# Altium PCB 80-BabyCarBatControl_PCB.PcbDoc
Units mm, origin at the board's own origin, x right, y up, seen from the top; angles counter-clockwise.
Board outline 70 x 26.53 mm, 2 copper layers (Top Layer, Bottom Layer); 118 components, 66 nets, 314 pads, 178 vias.
Unrouted connection lines stored in the file: 78.
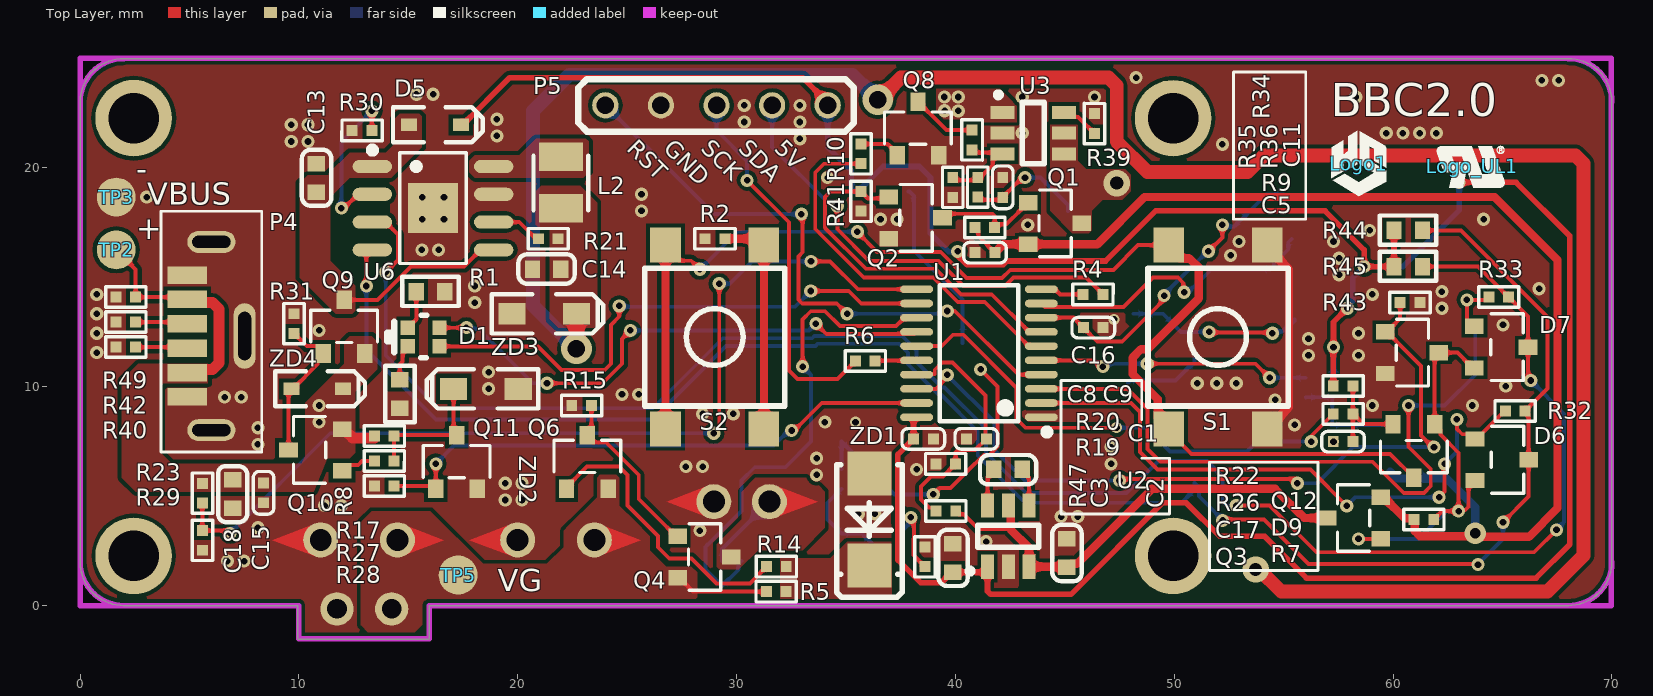
[diagram p0: Top Layer view]
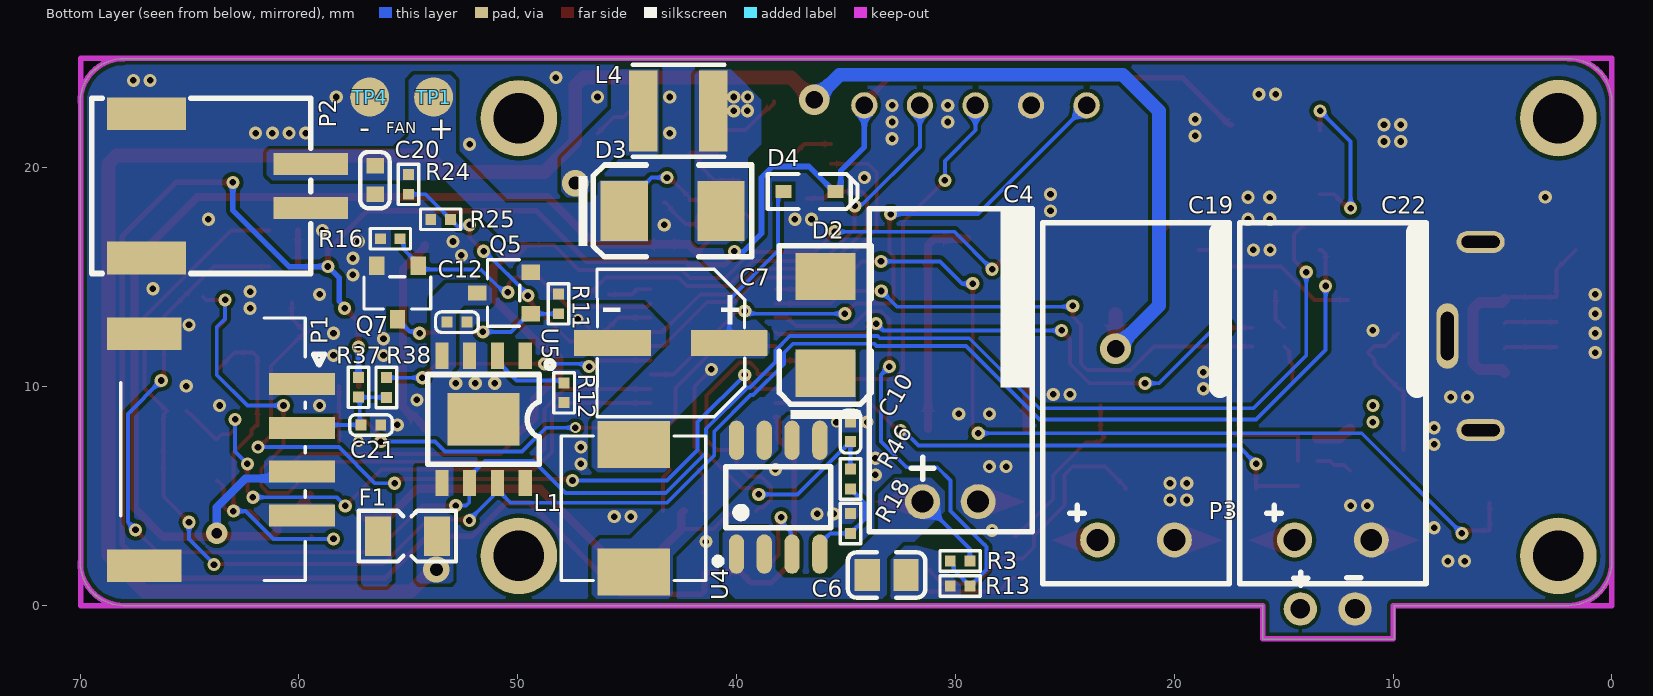
[diagram p1: Bottom Layer view, seen from below]
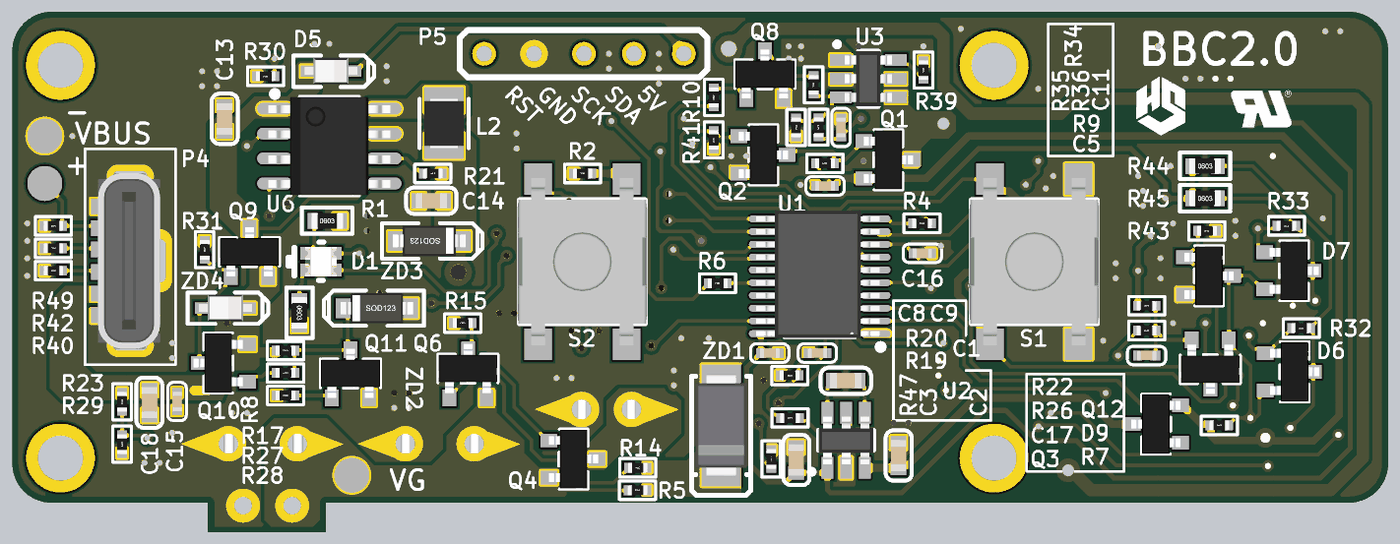
[diagram p2: 3D render of the assembled board from above, using the file's embedded part models]
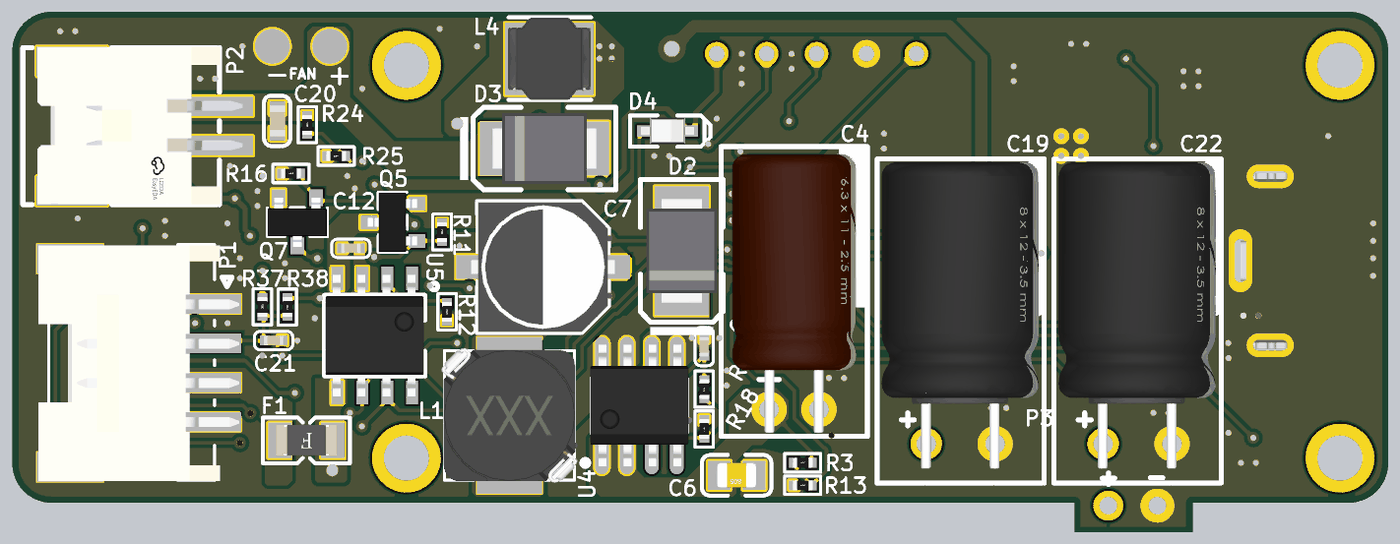
[diagram p3: 3D render of the assembled board from below, using the file's embedded part models]

## Layer stack, top to bottom
Top Solder: solder mask 0.0102, Solder Resist, Dk 3.5
Top Layer: signal copper 0.0356
Dielectric 1: dielectric 0.32, FR-4, Dk 4.8
Bottom Layer: signal copper 0.0356
Bottom Solder: solder mask 0.0102, Solder Resist, Dk 3.5

## Board outline
2,0 cw(c2,2) 0,2 0,23 cw(c2,23) 2,25 68,25 cw(c68,23) 70,23 70,2 cw(c68,2) 68,0 15.949,0 15.949,-1.529 9.949,-1.529 9.949,0

## Design rules (kind name [scope] priority, off if disabled: settings)
Clearance [All] p1: gap=0.178 ignorepadtopadclearanceinfootprint=TRUE
PlaneConnect [All] p1: planeconnectstyle=Direct reliefexpansion=0.508 reliefentries=4 reliefconductorwidth=0.254 reliefairgap=0.254
PolygonConnect [All] p1: connectstyle=Direct reliefconductorwidth=0.254 reliefentries=4 polygonreliefangle="90 Angle" airgapwidth=0.254
RoutingVias [All] p1: holewidth=0.3 width=0.6 viastyle="Through Hole" minholewidth=0.3 minwidth=0.6 maxholewidth=2 maxwidth=2
SolderMaskExpansion [All] p1: expansion=0.102 istentingtop=FALSE
UnRoutedNet [All] p1: checkbadconnections=TRUE
Width [All] p1: maxlimit=1.27 minlimit=0.178 preferedwidth=0.178
28 further rules are at their usual default settings.

## Classes and differential pairs
component class 03-DC_DC: C4 C6 C7 C10 C12 C13 C14 C15 C18 D2 D4 D5 F1 L1 L2 P4 Q4 Q5 Q6 Q7 Q9 Q10 Q11 R3 R5 R11 R12 R13 R14 R15 R16 R17 R18 R21 R23 R27 R28 R29 R30 R31 R40 R42 R44 R45 R46 R47 R49 U3 U4 U6 ZD1 ZD2 ZD3 ZD4
component class 02-ChargeControl: C1 C2 C3 C5 C8 C9 C11 C16 C17 C19 C20 C21 C22 D1 D3 D6 D7 D9 L4 P2 P3 P5 Q1 Q2 Q3 Q8 Q12 R1 R2 R4 R6 R7 R8 R9 R10 R19 R20 R22 R24 R25 R26 R32 R33 R34 R35 R36 R37 R38 R39 R41 R43 S1 S2 TP1 TP2 TP3 TP4 TP5 U3 U5
component class 01-Overview: Logo1 Logo_UL1

## Components (designator, comment, footprint, x,y, rotation, side; value= is the part's Value field where it differs from the comment)
C1 "0603 2.2uF 16V ±10%" C0603 43.053,6.223 r180 top
C2 "0603 2.2uF 16V ±10%" C0603 45.085,3.048 r270 top
C3 "0603 2.2uF 16V ±10%" C0603 39.878,2.824 r270 top
C4 "47uF 63V ±20%" CAP-TH_BD6.3-P2.50-D1.0-WD 31.5,4.749 r180 bottom locked
C5 "0402 100nF 25V ±10%" C0402 40.905,16.129 r0 top
C6 "100nF 0805 10% 63V" 0805_C 33.147,1.397 r0 bottom
C7 "220uF 10V ±20%" CAP-SMD_BD6.3-L6.6-W6.6-LS7.4-FD 43,12 r0 bottom locked
C8 "0402 100nF 25V ±10%" C0402 38.089,7.62 r0 top
C9 "0402 100nF 25V ±10%" C0402 40.513,7.62 r0 top
C10 "0402 1uF  10V ±10%" C0402 34.798,8.393 r270 bottom
C11 "0402 100nF 25V ±10%" C0402 42.164,19.558 r270 top
C12 "0402 2.2uF 16V ±10%" C0402 53.224,12.954 r180 bottom
C13 "0603 22uF 10V ±10%" C0603 10.795,20.193 r270 top
C14 "0603 22uF 10V ±10%" C0603 20.671,15.367 r0 top
C15 "0402 100nF 25V ±10%" C0402 8.382,5.599 r270 top
C16 "0402 100nF 25V ±10%" C0402 46.747,12.7 r180 top
C17 "0402 100nF 25V ±10%" C0402 57.266,7.493 r0 top
C18 "0603 1uF 50V ±10%" C0603 6.985,4.445 r90 top
C19 "100uF 63V ±20%" CAP-TH_BD8-P3.50-D1.0-WD 23.5,3 r180 bottom locked
C20 "0603 1uF 50V ±10%" C0603 56.515,18.796 r90 bottom
C21 "0402 100nF 25V ±10%" C0402 56.261,8.255 r0 bottom
C22 "100uF 63V ±20%" CAP-TH_BD8-P3.50-D1.0-WD 14.5,3 r180 bottom locked
D1 "XL-1615SURUWC" LED-SMD_4P-L1.6-W1.5-RD_XL-1615SURUWC 15.699,12.271 r0 top locked
D2 "SS56" SMB 35.941,12.827 r90 bottom
D3 "SSL54" SMB 42.926,18.034 r180 bottom
D4 "1N4148WS" SOD-323F_L2.0-W1.6-LS2.5-RD 35.476,18.923 r0 bottom
D5 "1N4148WS" SOD-323F_L2.0-W1.6-LS2.5-RD 17.399,21.971 r180 top
D6 "BAV70" SOT-23-3 63.993,7.615 r180 top
D7 "BAV70" SOT-23-3 63.967,12.761 r180 top
D9 "BAV70" SOT-23-3 61.899,8.042 r90 top
F1 "1206 3A 6V" F1206 53.688,3.175 r0 bottom
L1 "33uF 1A" IND-SMD_L7.1-W6.6 44.704,4.445 r90 bottom locked
L2 "2.2uH 3.5A" IND2520 21.971,20.511 r270 top
L4 "SWPA4030S3R3MT" IND-SMD_L4.0-W4.0_SMNR4012 42.672,22.606 r180 bottom
Logo1 "Logo" HoovicLogo_8mm 58.42,20.193 r0 top
Logo_UL1 "Logo" UL_LOGO_3MM 63.627,20.066 r0 top
P1 "2.00-4P" CONN-SMD_4P-P2.00 64.589,14.135 r270 bottom locked
P2 "HY2.0" CONN-SMD_HY2.0-2P 63.214,19.177 r270 bottom locked
P3 "CX2.5-2P" CX2.5-2P 14.239,-0.15 r180 bottom
P4 "USB-C-6P" "USB-C-SMD_KH-TYPE-C-6P -L" 6,8.019 r90 top locked
P5 "Header 5" CONN-TH_5P-2.54-DIR 34.163,22.86 r180 top
Q1 "NCE2333Y" SOT-23-3-MOSFET 43.572,18.415 r180 top
Q2 "2N7002" SOT-23-3-MOSFET 37.211,18.669 r180 top
Q3 "NCE3407" SOT-23-3-MOSFET 59.186,3.053 r0 top
Q4 "HSS2P15" SOT-23-3-MOSFET 27.555,3.17 r180 top
Q5 "NCE2333Y" SOT-23-3-MOSFET 49.657,13.335 r180 bottom
Q6 "MMBT5401" SOT-23-3 22.23,5.584 r270 top
Q7 "2N7002" SOT-23-3-MOSFET 54.549,15.281 r90 bottom
Q8 "2N7002" SOT-23-3-MOSFET 37.338,20.828 r270 top
Q9 "NCE3407" SOT-23-3-MOSFET 11.115,11.77 r270 top
Q10 "MMBT5401" SOT-23-3 11.725,6.162 r0 top
Q11 "2N7002" SOT-23-3-MOSFET 16.256,5.588 r270 top
Q12 "2N7002" SOT-23-3-MOSFET 59.892,12.507 r180 top
R1 "0603 1K 1%" R0603 15.367,14.351 r0 top
R2 "0402 4.7K 1%" R0402 29.464,16.764 r180 top
R3 "0402 200K 1%" R0402 30.237,2.032 r180 bottom
R4 "0402 33R 5%" R0402 45.836,14.224 r0 top
R5 "0402 100K 1%" R0402 32.258,0.635 r180 top
R6 "0402 33R 5%" R0402 36.333,11.176 r180 top
R7 "0402 100K 1%" R0402 60.96,3.937 r0 top
R8 "0603 1K 1%" R0603 14.605,10.317 r270 top
R9 "0402 100K 1%" R0402 40.894,17.272 r0 top
R10 "0402 1K 5%" R0402 35.687,20.193 r90 top
R11 "0402 100K 1%" R0402 48.133,13.335 r90 bottom
R12 "0402 1.8K 1%" R0402 47.879,9.271 r90 bottom
R13 "0402 10K 1%" R0402 29.337,0.889 r0 bottom
R14 "0402 22K 1%" R0402 31.369,1.778 r0 top
R15 "0402 510K 1%" R0402 22.468,9.144 r0 top
R16 "0402 100K 1%" R0402 56.272,16.764 r180 bottom
R17 "0402 100K 1%" R0402 14.351,7.747 r180 top
R18 "0402 20K 1%" R0402 34.798,4.202 r270 bottom
R19 "0402 10K 5%" R0402 40.016,4.318 r180 top
R20 "0402 51K 5%" R0402 40.005,6.477 r180 top
R21 "0402 1K 1%" R0402 20.944,16.764 r0 top
R22 "0402 10K 1%" R0402 57.266,10.033 r0 top
R23 "0402 51K 1%" R0402 5.588,4.688 r90 top
R24 "0402 51K 5%" R0402 54.991,19.696 r270 bottom
R25 "0402 10K 5%" R0402 53.075,17.653 r0 bottom
R26 "0402 1K 5%" R0402 58.166,8.763 r180 top
R27 "0402 22K 1%" R0402 13.451,6.604 r0 top
R28 "0402 200K 1%" R0402 13.451,5.461 r0 top
R29 "0402 10K 1%" R0402 5.588,3.429 r270 top
R30 "0402 330R 1%" R0402 13.335,21.717 r180 top
R31 "0402 510K 1%" R0402 9.779,13.335 r270 top
R32 "0402 0R 1%" R0402 66.029,8.89 r180 top
R33 "0402 0R 1%" R0402 65.278,14.097 r180 top
R34 "0402 27K 1%" R0402 40.767,21.728 r270 top
R35 "0402 12K 1%" R0402 39.878,18.658 r90 top
R36 "0402 82K 1%" R0402 41.021,18.669 r90 top
R37 "0402 10K 1%" R0402 57.277,9.525 r90 bottom
R38 "0402 1K 5%" R0402 56.007,10.414 r270 bottom
R39 "0402 33K 1%" R0402 46.355,21.579 r90 top
R40 "0402 4.7K 1%" R0402 2.54,11.811 r180 top
R41 "0402 100K 1%" R0402 35.687,18.923 r270 top
R42 "0402 4.7K 1%" R0402 2.54,12.954 r180 top
R43 "0402 100K 1%" R0402 60.325,13.843 r0 top
R44 "0603 1K 1% NC" R0603 60.041,17.145 r0 top
R45 "0603 1K 1% NC" R0603 60.041,15.494 r0 top
R46 "0402 89K 1%" R0402 34.798,5.334 r90 bottom
R47 "0402 0R 1% NC" R0402 38.608,2.678 r270 top
R49 "0402 100K 1%" R0402 2.54,14.097 r180 top
S1 "Switch_SMD" SMD-4_6X6 52,12.271 r90 top locked
S2 "Switch_SMD" SMD-4_6X6 29,12.271 r90 top locked
TP1 "TestPoint" TESTPOINT-70MIL 53.848,23.241 r180 bottom
TP2 "TestPoint" TESTPOINT-70MIL 1.651,16.256 r90 top
TP3 "TestPoint" TESTPOINT-70MIL 1.651,18.669 r90 top
TP4 "TestPoint" TESTPOINT-70MIL 56.769,23.241 r90 bottom
TP5 "TestPoint" TESTPOINT-70MIL 17.272,1.397 r90 top
U1 "HC89F0431A" TSSOP-20 43.927,8.606 r90 top
U2 "TX4314" SOT-23-6 42.418,3.175 r270 top
U3 "FP6291" SOT-23-6 43.561,21.59 r180 top
U4 "TX4144" SOP-8_150mil 38.1,4.953 r180 bottom locked
U5 "GX4056" SOP-8-EP 51.562,8.509 r0 bottom
U6 "SLM6600" SOP-8_L4.9-W3.9-P1.27-LS6.0-BL-EP 16.129,18.161 r270 top
ZD1 "1SMA4758A" SMA 36.068,3.937 r90 top
ZD2 "BZT52C5V6" SOD-123 18.542,9.906 r0 top
ZD3 "SLMESD5V0D9" SOD-123 21.209,13.335 r180 top
ZD4 "MM3Z16W" SOD-323F_L2.0-W1.6-LS2.5-RD 12.022,9.906 r180 top

## Footprints (in the part's own frame and the unit in brackets; to place one, negate y for a bottom-side part, rotate by r counter-clockwise, add the part's x,y. Pads: shape width x height; smd on the part's side, far side on the other; paste and mask are expansions set on the pad)
0805_C [mm]
  rect 1.16x1.47 smd: 1(-0.89,0) 2(0.89,0)
  silkscreen extent -1.77,-1.04 1.77,1.04, body extent -1,-0.63 1,0.62, height 0.77
C0402 [mm]
  rect 0.5x0.5 smd: 1(0,0) 2(0.9,0)
  silkscreen extent -0.53,-0.47 1.42,0.47, body extent -0.05,-0.25 0.95,0.25, height 0.5
C0603 [mm]
  rect 0.7x0.8 smd: 1(0,0) 2(1.3,0)
  silkscreen extent -0.64,-0.66 1.93,0.68, body extent -0.15,-0.4 1.45,0.4, height 0.8
CAP-SMD_BD6.3-L6.6-W6.6-LS7.4-FD [mm]
  rect 3.5x1.2 smd: 1(-2.67,0) 2(2.67,0)
  silkscreen extent -3.38,-3.38 3.38,3.38, body extent -3.65,-3.3 3.65,3.3, height 5.9
CAP-TH_BD6.3-P2.50-D1.0-WD [mm]
  round 1.6 hole 1: 1(0,0) 2(2.54,0)
  Bottom Layer region: -0.31,0.718 -2.199,0.001 -0.31,-0.718
  Bottom Layer region: 2.81,-0.718 4.699,-0.001 2.81,0.718
  silkscreen extent -2.44,-1.37 5,13.39, body extent -1.88,-1.2 4.42,13, height 6.35
CAP-TH_BD8-P3.50-D1.0-WD [mm]
  round 1.6 hole 1: 1(0,0) 2(3.505,0)
  Bottom Layer region: 3.82,-0.728 5.709,-0.011 3.82,0.708
  Bottom Layer region: -0.24,0.708 -2.129,-0.009 -0.24,-0.728
  silkscreen extent -2.5,-2 6.01,14.5, body extent -2.27,-1.27 5.73,14.33, height 8.1
CONN-SMD_4P-P2.00 [mm]
  rect 1x3 smd paste+0 mask+0.05: 1(4.013,4.728) 2(6.013,4.728) 3(8.013,4.728) 4(10.013,4.728)
  rect 1.5x3.4 smd paste+0 mask+0.05: 5(1.713,-2.472) 6(12.313,-2.472)
  silkscreen extent 0.99,-3.56 12.99,5.77, body extent 1.04,-4.09 13.04,6.14, height 5.2
CONN-SMD_HY2.0-2P [mm]
  rect 1.5x3.6 smd: 0(-3.3,-3.751) 0(3.3,-3.751)
  rect 1x3.4 smd: 1(-1,3.749) 2(1.001,3.751)
  silkscreen extent -4,-6.25 4,3.75, body extent -4.03,-5.52 3.97,4.93, height 5.21
CONN-TH_5P-2.54-DIR [mm]
  round 1.2 hole 0.8: 1(0,0) 2(2.54,0) 3(5.08,0) 4(7.62,0) 5(10.16,0)
  silkscreen extent -1.2,-1.2 11.4,1.2
CX2.5-2P [mil]
  round 60 hole 35.43: 1(0,0) 2(98.43,0)
  silkscreen extent -12,42 109,65, body extent -315,-226 413,16, height 98
F1206 [mm]
  rect 1.2x1.8 smd: 1(0,0) 2(2.7,0)
  silkscreen extent -0.87,-1.16 3.57,1.16, body extent -0.2,-0.77 2.9,0.78, height 0.61
HoovicLogo_8mm [mm]
  silkscreen extent -1.24,-1.49 1.27,1.51
IND2520 [mm]
  rect 1.3x2 smd: 1(0,0) 2(2.35,0)
  silkscreen extent -0.05,-1.25 2.45,1.25, body extent -0.05,-1 2.45,1, height 1.8
IND-SMD_L4.0-W4.0_SMNR4012 [mm]
  rect 1.3x3.7 smd: 1(-1.6,0) 2(1.6,0)
  silkscreen extent -2.08,-2.09 2.12,2.11, body extent -2.1,-2.1 2.1,2.1, height 1.8
IND-SMD_L7.1-W6.6 [mm]
  rect 2.15x3.32 smd paste+0 mask+0.051: 1(-2.913,0) 2(2.913,0)
  silkscreen extent -3.3,-3.3 3.3,3.3, body extent -3.43,-3.47 3.43,3.47, height 3
LED-SMD_4P-L1.6-W1.5-RD_XL-1615SURUWC [mm]
  rect 0.65x0.65 smd: 1(-0.725,0.425) 2(0.725,0.425) 3(-0.725,-0.425) 4(0.725,-0.425)
  silkscreen extent -1.65,-0.95 0.15,1, body extent -0.8,-0.75 0.8,0.75, height 0.34
R0402 [mm]
  rect 0.5x0.5 smd: 1(0,0) 2(0.9,0)
  silkscreen extent -0.47,-0.47 1.37,0.47, body extent -0.05,-0.25 0.95,0.25, height 0.35
R0603 [mm]
  rect 0.7x0.8 smd: 1(0,0) 2(1.3,0)
  silkscreen extent -0.64,-0.66 1.93,0.68, body extent -0.15,-0.4 1.45,0.4, height 0.45
SMA [mm]
  rect 2x2 smd: 1(-2.1,0) 2(2.1,0)
  silkscreen extent -3.56,-1.5 2.5,1.5, body extent -2.6,-1.3 2.6,1.3, height 2.4
SMB [mm]
  rect 2.159x2.743 smd: 1(-2.21,0) 2(2.21,0)
  silkscreen extent -4.3,-2.1 3.62,2.1, body extent -2.7,-1.8 2.7,1.8, height 2.3
SMD-4_6X6 [mm]
  rect 1.6x1.4 smd: 1(-4.2,2.249) 2(4.2,2.249) 3(-4.2,-2.249) 4(4.2,-2.249)
  silkscreen extent -3.15,-3.2 3.15,3.2, body extent -4.25,-3.3 4.25,3.3, height 5
SOD-123 [mm]
  rect 1.25x1 smd: 1(-1.475,0) 2(1.475,0)
  silkscreen extent -2.7,-0.9 2.4,0.9, body extent -1.85,-0.77 1.85,0.78, height 1.35
SOD-323F_L2.0-W1.6-LS2.5-RD [mm]
  rect 0.73x0.58 smd: 1(0,0) 2(2.37,0)
  silkscreen extent -1,-0.8 3.1,0.8, body extent -0.17,-0.69 2.53,0.66, height 0.79
SOP-8-EP [mm]
  rect 0.6x1.2 smd: 1(-1.905,-2.908) 2(-0.635,-2.908) 3(0.635,-2.908) 4(1.905,-2.908) 5(1.905,2.908) 6(0.635,2.908) 7(-0.635,2.908) 8(-1.905,2.908)
  rect 3.3x2.4 smd: 9(0,0)
  silkscreen extent -3.2,-2.67 2.55,2.05, body extent -2.5,-3.1 2.5,3.1, height 1.75
SOP-8_150mil [mm]
  oval 0.7x1.8 smd: 1(-1.905,-2.6) 2(-0.635,-2.6) 3(0.635,-2.6) 4(1.905,-2.6) 5(1.905,2.6) 6(0.635,2.6) 7(-0.635,2.6) 8(-1.905,2.6)
  silkscreen extent -2.9,-3.07 2.4,1.4, body extent -2.5,-3.1 2.5,3.1, height 1.75
SOP-8_L4.9-W3.9-P1.27-LS6.0-BL-EP [mm]
  oval 0.6x1.8 smd: 1(-1.905,-2.772) 2(-0.635,-2.772) 3(0.635,-2.772) 4(1.905,-2.772) 5(1.905,2.772) 6(0.635,2.772) 7(-0.635,2.772) 8(-1.905,2.772)
  rect 2.29x2.29 smd: 9(0,0)
  silkscreen extent -2.8,-2.92 2.53,1.52, body extent -2.5,-3.1 2.5,3.1, height 1.75
SOT-23-3 [mm]
  rect 0.85x0.7 smd: 1(0.25,0) 2(0.25,1.9) 3(-2.2,0.95)
  silkscreen extent -1.98,-0.58 -0.5,2.48, body extent -2.5,-0.55 0,2.45, height 1.08
SOT-23-3-MOSFET [mm]
  rect 0.85x0.7 smd: 1(0.25,0) 2(-2.2,0.95) 3(0.25,1.9)
  silkscreen extent -1.73,-0.58 -0.25,2.48, body extent -2.25,-0.55 0.25,2.45, height 1.08
SOT-23-6 [mm]
  rect 1.1x0.6 smd: 1(1.4,-0.95) 2(1.4,0) 3(1.4,0.95) 4(-1.4,0.95) 5(-1.4,0) 6(-1.4,-0.95)
  silkscreen extent -0.5,-1.87 1.72,1.4, body extent -1.21,-1.4 1.22,1.4, height 1.09
TESTPOINT-70MIL [mil]
  round 70 smd: 1(0,0)
TSSOP-20 [mm]
  oval 0.35x1.5 smd: 1(0,0) 2(0.65,0) 3(1.3,0) 4(1.95,0) 5(2.6,0) 6(3.25,0) 7(3.9,0) 8(4.55,0) 9(5.2,0) 10(5.85,0) 11(5.85,5.7) 12(5.2,5.7) 13(4.55,5.7) 14(3.9,5.7) 15(3.25,5.7) 16(2.6,5.7) 17(1.95,5.7) 18(1.3,5.7) 19(0.65,5.7) 20(0,5.7)
  silkscreen extent -0.82,-0.4 6.02,4.65, body extent -0.23,-0.2 6.27,6.08, height 1.1
UL_LOGO_3MM [mm]
  silkscreen extent -1.62,-0.94 1.46,0.94
"USB-C-SMD_KH-TYPE-C-6P -L" [mm]
  oval 1x2.2 hole 0.55 slot 1.75 at 90 deg: 1(0,0) 3(8.6,0)
  oval 3x1 hole 0.6 slot 2.2 at 0 deg: 2(4.3,-1.52)
  rect 0.8x1.8 smd: A5(3.73,1.1) A9(5.97,1.1) A12(7.07,1.1) B5(4.87,1.1) B9(2.63,1.1) B12(1.53,1.1)
  silkscreen extent -1,-2.3 10,2.3, body extent -0.17,-1.52 8.77,1.64, height 10.5

## Part data
C1 C2 C3 C12 C13 C14 C18 C20: library part Cap_0603, "贴片电容"
C4 C7 C19 C22: library part Cap_elec, "电解电容"
C5 C8 C9 C10 C11 C15 C16 C17 C21: library part Cap_0402, "贴片电容"
C6: library part "0805 100nF(104) 10% 50V", "贴片电容", Package=0805, SuppliersPartNumber=C49678, ComponentLink1Description=供应商链接, ComponentLink1URL=http://www.szlcsc.com/product/details_50686.html, Supplier=LC
D1: "0603封装的红白黄色LED"
D2: library part SS56B, "贴片肖特基二极管"
D3: library part SS36B, "贴片肖特基二极管"
D4 D5: "贴片普通二极管 Vr=100V Io=150mA Vf=1.25V"
F1: library part Fuse, "保险丝/熔断器"
L1 L2 L4: library part "Inductor Iron", "功率电感"
P1: library part 2.00-4PWTDK, "连接器4pin，2.00间距", Current Rating (Max)=1A, JLCPCB Part Class="Extended Part", LCSC Part Name="1.25间距 4P卧贴 带扣", MANUFACTURER="SHOU HAN(首韩)", Manufacturer Part=1.25-4PWTDK, Operating Temperature Range=-25℃~+85℃, Add into BOM=yes, Convert to PCB=yes, Datasheet=https://atta.szlcsc.com/upload/public/pdf/source/20220427/006CB3E3578F619E540A50F8B0C3F638.pdf, DEVICE=1.25-4PWTDK, Gender=公型插针, Mounting Style=卧贴, Name=1.25-4PWTDK, Number of PINs Per Row=4, Number of Rows=1, Pins Structure=1x4P, Pitch=1.25mm, Supplier=LCSC, Supplier Footprint=SMD,P=1.25mm, Supplier Part=C3008554, Symbol=1.25-4PWTDK
P2: library part "Header 2", "连接器, 2-Pin"
P3: "磁吸端子 弯插 2pin 2.5针距"
P4: library part USB-C-6P_, "6Pin USB Type-C 接口"
P5: "连接器, 5-Pin"
Q1 Q3 Q4 Q5 Q9: library part NCE2309, "P-MOSFET with 3 Pin Vdss=60V Id=1.6A Vgs(th)=2V"
Q2 Q7 Q8 Q11 Q12: "N-MOSFET with 3 Pin Vdss=60V  Id=115mA Vgs(th)=2.5V"
Q6 Q10: "PNP三极管"
R1 R8 R13 R23 R29 R44 R45: library part Res_0603, "贴片电阻"
R2 R3 R4 R5 R6 R7 R9 R10 R11 R12 R14 R15 R16 R17 R18 R19 R20 R21 R22 R24 R25 R26 R27 R28 R30 R31 R32 R33 R34 R35 R36 R37 R38 R39 R40 R41 R42 R43 R46 R47 R49: library part Res_0402, "贴片电阻"
S1 S2: library part Switch_SMD_4P, "4PIN按键开关"
TP1 TP2 TP3 TP4 TP5: library part TP, "测试点"
U1: "芯圣HC89F0431A"
U2: "DC-DC升压电荷泵"
U3: "DC-DC升压控制芯片"
U4: "降压型 输入6V~60V 1.5A", Input Voltage=6V~0V, JLCPCB Part Class="Extended Part", LCSC Part Name="降压型 Vin=6V~0V 1.5A", MANUFACTURER=XDS(芯鼎盛), Operating Temperature=-40℃~+85℃@(Ta), Output Current (Max)=1.5A, Output Voltage=-, Quiescent Current (Iq)=150uA, Switching Frequency=140kHz；450kHz, Add into BOM=yes, Convert to PCB=yes, Datasheet=https://atta.szlcsc.com/upload/public/pdf/source/20220706/F01FB6E18B2A790E98A19A1C52DE2D08.pdf, DEVICE=TX4144, Function=降压型, Manufacturer Part=TX4144, Name=TX4144, Number of Outputs=1, Output Type=-, Supplier=LCSC, Supplier Footprint=SOP-8, Supplier Part=C4153685, Symbol=TX4144, Synchronous Rectification=-, Topology=-
U5: "1000mA 锂电池充电器芯片", JLCPCB Part Class="Extended Part", MANUFACTURER=国芯佳品, Maximum Charge Current=1A, Add into BOM=yes, Convert to PCB=yes, Datasheet=https://atta.szlcsc.com/upload/public/pdf/source/20221111/1186739FA5174D5673D9C2FF440403FD.pdf, DEVICE=GX4056, LCSC Part Name=GX4056, Manufacturer Part=GX4056, Name=GX4056, Supplier=LCSC, Supplier Footprint=SOP-8-EP, Supplier Part=C5259236, Symbol=GX4056
U6: "锂电池管理", JLCPCB Part Class="Extended Part", MANUFACTURER=无锡松朗微, Add into BOM=yes, Convert to PCB=yes, Datasheet=https://atta.szlcsc.com/upload/public/pdf/source/20200723/C130316_33CFDDBAEF8892C90734B89DFA84F834.pdf, DEVICE=SLM6600, LCSC Part Name=SLM6600, Manufacturer Part=SLM6600, Name=SLM6600, Supplier=LCSC, Supplier Footprint=SOP-8-EP-150mil, Supplier Part=C130316, Symbol=SLM6600
ZD1 ZD2 ZD3 ZD4: library part ZENER/TVS, "稳压管/单向TVS管"
  ZD1: link=https://item.szlcsc.com/436890.html

## Free pads (board coordinates)
  round 3.5 hole 2.3: 7(2.449,2.271) 7(2.449,22.271) 7(49.949,2.271) 7(49.949,22.271)

## Via types
v1: diameter 0.6, hole 0.3, Top Layer to Bottom Layer, tented both sides, 165 vias
v2: diameter 0.61, hole 0.305, Top Layer to Bottom Layer, 4 vias
v3: diameter 0.5, hole 0.3, Top Layer to Bottom Layer, tented both sides, 4 vias
v4: diameter 1.2, hole 0.6, Top Layer to Bottom Layer, tented both sides, 2 vias
v5: diameter 1.4, hole 0.8, Top Layer to Bottom Layer, tented both sides, 2 vias
v6: diameter 1, hole 0.5, Top Layer to Bottom Layer, tented both sides, 1 vias
